# Altium PCB PCB1_Bak.PcbDoc (part 1 of 5) (continued)
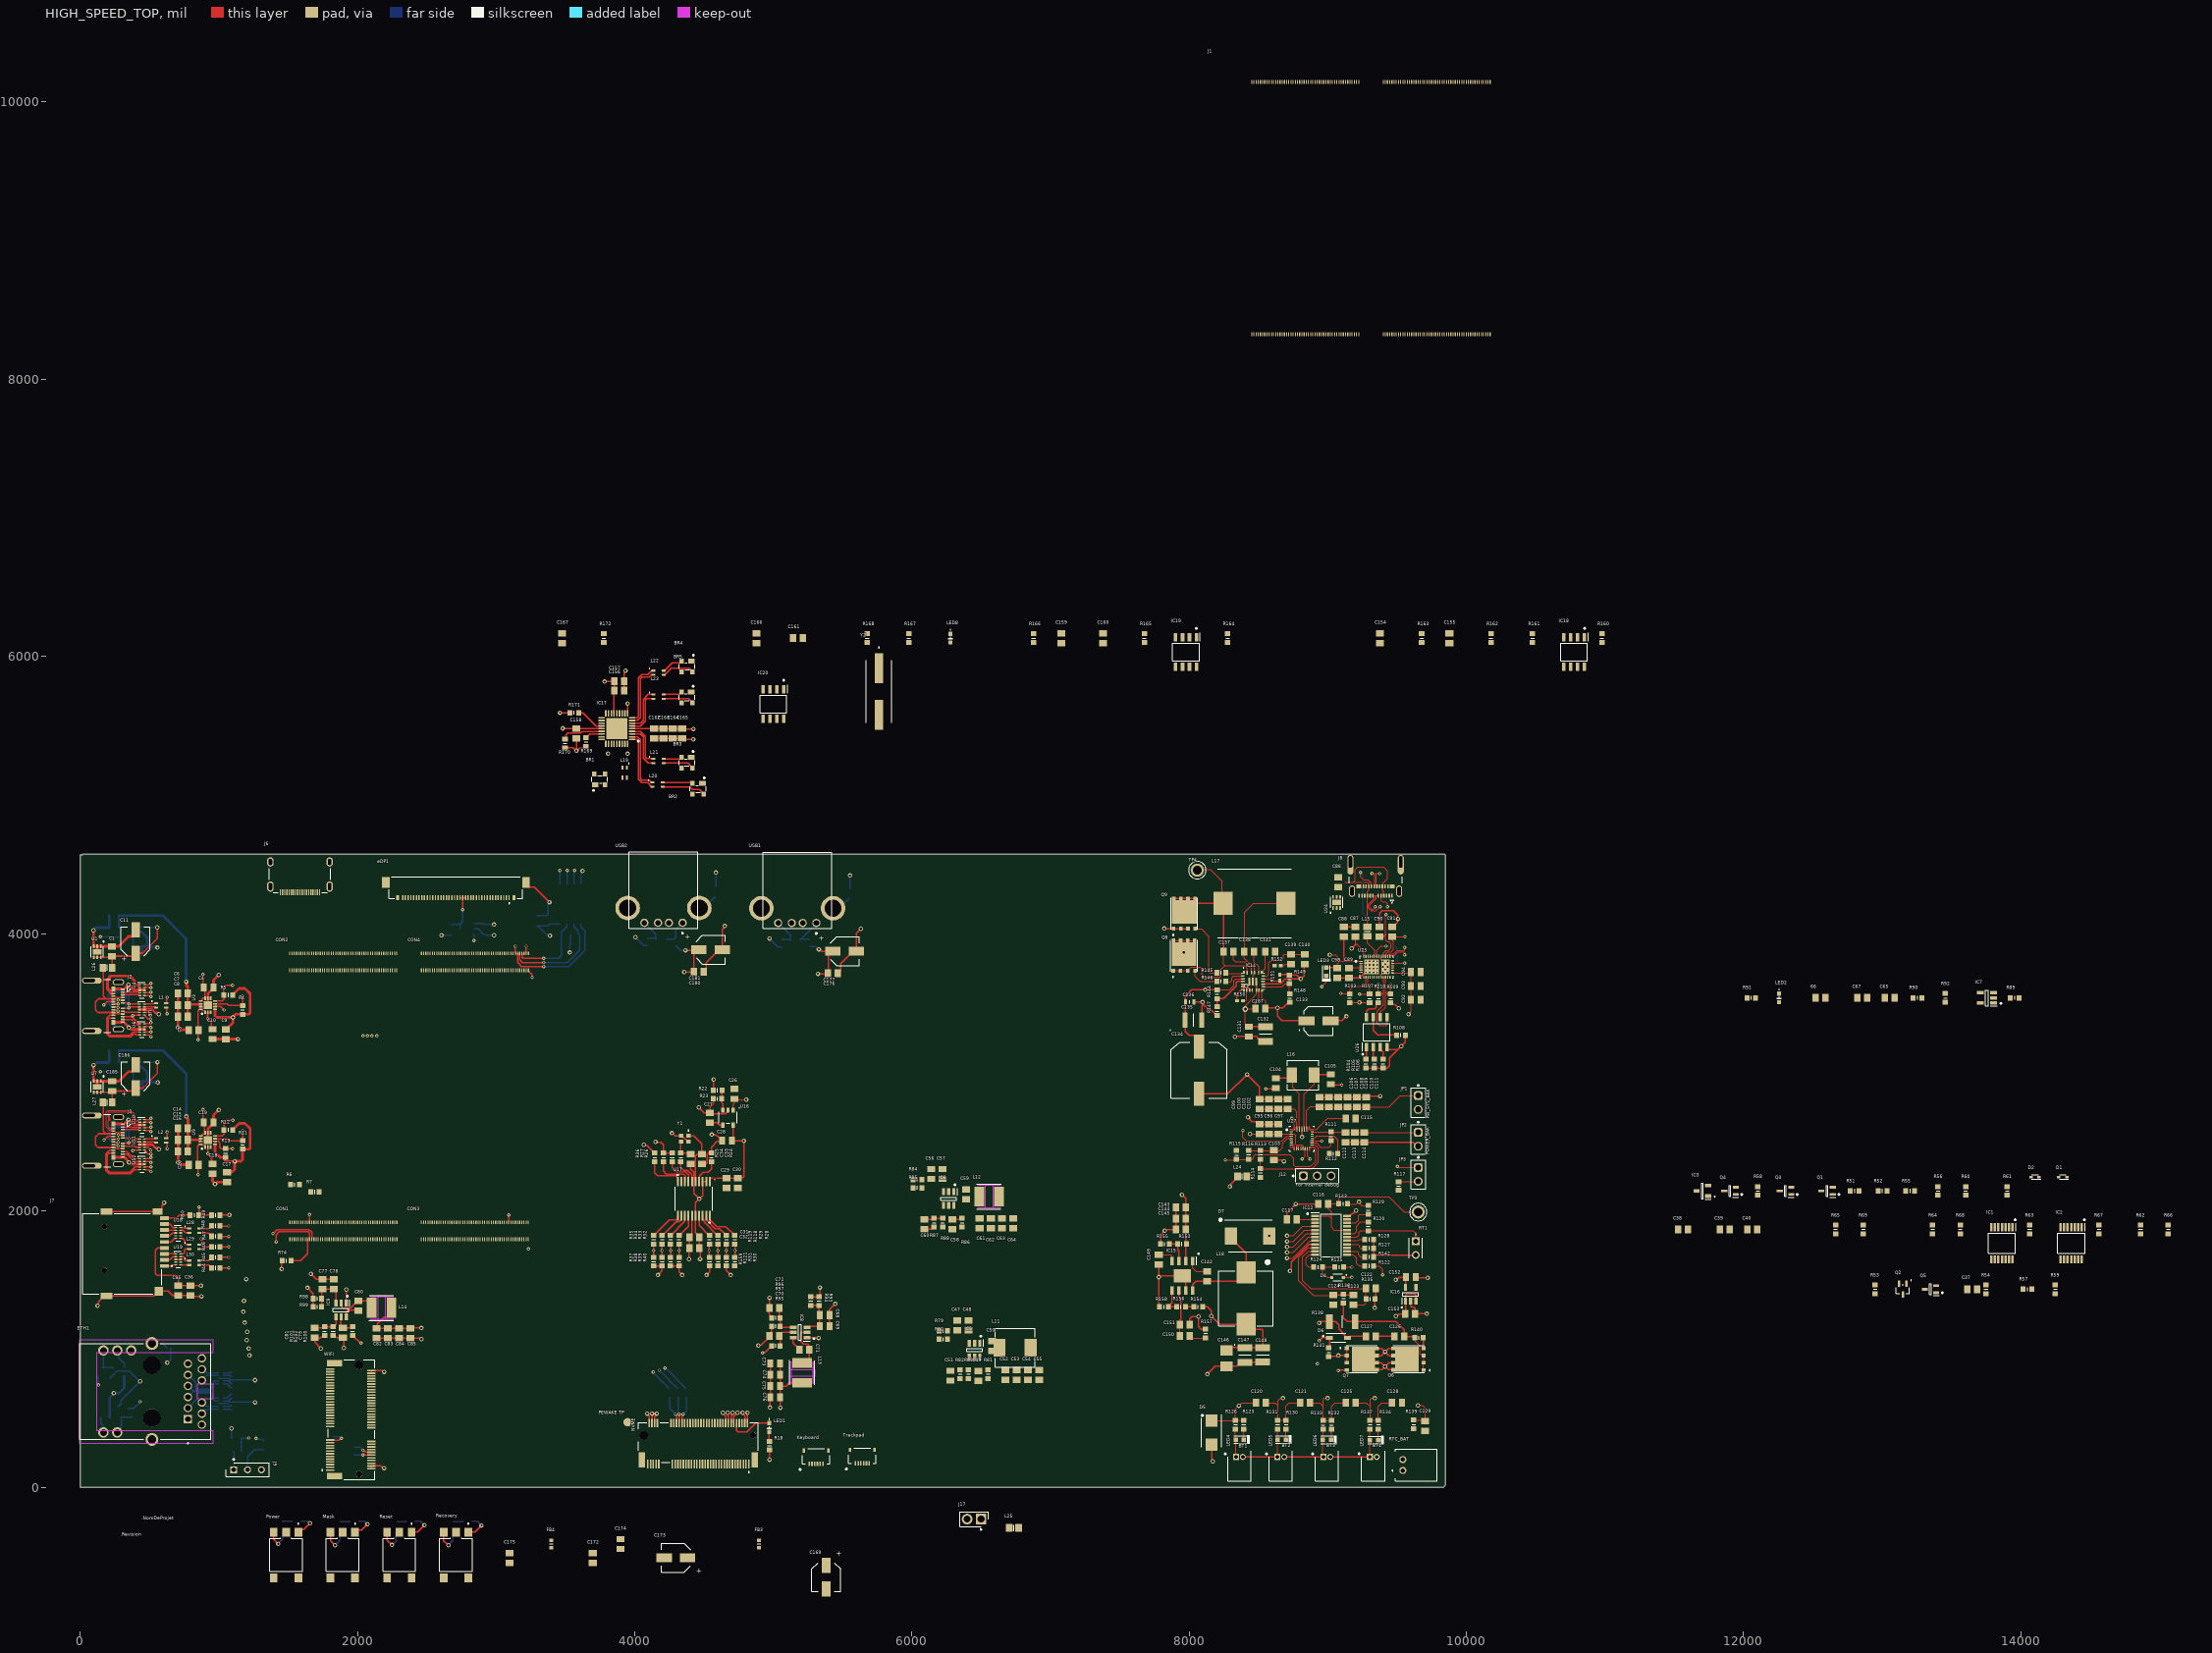
[diagram p0: HIGH_SPEED_TOP view]
## Components (designator, comment, footprint, x,y, rotation, side; value= is the part's Value field where it differs from the comment) (continued)
C105 "47nF/25V" C0805 9022.45,2948.68 r90 top value=47nF
C106 "0.1uF/50V" C0805 8939.45,2785.52 r270 top value=100nF
C107 "10uF/25V" C0805 9006.73,2785.52 r270 top value=10uF
C108 "10uF/25V" C0805 9074.02,2785.52 r270 top value=10uF
C109 "10uF/25V" C0805 9141.3,2785.52 r270 top value=10uF
C110 "10uF/25V" C0805 9208.59,2785.52 r270 top value=10uF
C111 "10uF/25V" C0805 9275.87,2785.52 r270 top value=10uF
C112 "0.1uF/50V" C0805 9129.17,2528.33 r90 top value=100nF
C113 "10uF/25V" C0805 9196.45,2528.33 r90 top value=10uF
C114 "10uF/25V" C0805 9263.73,2528.33 r90 top value=10uF
C115 "1nF/50V" C0805 9165.45,2666.68 r180 top value=1nF
C116 "1uF/25V" C0805 8966.45,2049.68 r180 top value=1uF
C117 "1uF/25V" C0805 8740.45,1937.68 r180 top value=1uF
C120 "1uF/25V" C0805 8517.45,614.68 r180 top value=1uF
C121 "1uF/25V" C0805 8835.45,614.68 r180 top value=1uF
C122 "0.1uF/25V" C0805 9310.45,1438.68 r180 top value=100nF
C123 "0.1uF/25V" C0805 9184.45,1355.68 r270 top value=100nF
C124 "0.1uF/25V" C0805 9039.45,1355.68 r90 top value=100nF
C125 "1uF/25V" C0805 9166.45,614.68 r180 top value=1uF
C126 "0.1uF/25V" C0805 9514.45,1093.68 r180 top value=100nF
C127 "0.1uF/25V" C0805 9311.45,1093.68 r180 top value=100nF
C128 "1uF/25V" C0805 9499.45,614.68 r180 top value=1uF
C129 "1uF/25V" C0805 9702.45,447.83 r270 top value=1uF
C131 "1uF/25V" C0805 8431.45,3292.68 r90 top value=1uF
C132 "22uF/25V" CAPC3225X270N 8550.45,3275.68 r90 top value=22uF
C133 "20SVPF56MX" 16SVF82M 8932.45,3370.68 r0 top value=56uF
C134 "120uF/35V" 16SVF1000M 8071.05,3014.2 r180 top value=120uF
C135 "10uF/50V" CAPC3225X230N 8030.33,3375.73 r180 top value=10uF
C136 "1uF/50V" CAPC1608X80N 8003.45,3506.68 r180 top value=1uF
C137 "0.1uF/16V" C0805 8282.45,3869.68 r180 top value=100nF
C138 "0.1uF/16V" C0805 8433.45,3869.68 r180 top value=100nF
C139 "4.7nF/16V" C0805 8735.45,3815.68 r90 top value=4.7nF
C140 "15pF/16V" C0805 8835.45,3815.68 r90 top value=15pF
C141 "4.7uF/16V" C0805 8583.45,3869.68 r180 top value=4.7uF
C142 "0.1uF/25V" C0805 8129.45,1527.68 r270 top value=100nF
C143 "4.7uF/50V" C0805 7939.45,2024.68 r0 top value=4.7uF
C144 "4.7uF/50V" C0805 7939.45,1943.68 r0 top value=4.7uF
C145 "10nF/50V" C0805 7939.45,1863.68 r0 top value=10nF
C146 "100uF/6.3V" T520B 8268.45,934.68 r270 top value=100uF
C147 "47uF/10V" CAPC3225X270N 8402.74,959.53 r270 top value=47uF
C148 "47uF/10V" CAPC3225X270N 8530.45,959.68 r270 top value=47uF
C149 "10nF/25V" C0805 7780.5,1647.68 r90 top value=10nF
C150 "2.2nF/25V" C0805 7967.45,1096.68 r180 top
C151 "22pF/50V" C0805 7968.45,1176.68 r180 top value=22pF
C152 "10uF/25V" C0805 9598.65,1520.89 r180 top value=10uF
C153 "10uF/25V" C0805 9594.48,1256.18 r180 top value=10uF
C154 "1uF/16V" C0805 9377.05,6132.2 r270 top value=1uF
C155 "1nF/50V" C0805 9877.05,6132.2 r270 top value=1nF
C156 "0.1uF/6.3V" C0805 3888.8,5754.05 r0 top value=100nF
C157 "4.7uF / 6.3V" C0805 3889.1,5821.33 r0 top value=4.7uF
C158 "0.1uF/6.3V" C0805 3578,5443 r270 top value=100nF
C159 "0.1uF/6.3V" C0805 7077.05,6132.2 r270 top value=100nF
C160 "0.1uF/6.3V" C0805 7377.05,6132.2 r270 top value=100nF
C161 "18pF/50V" C0805 5177.05,6132.2 r180 top value=18pF
C162 "0.1uF/6.3V" C0805 4140,5443.57 r270 top value=100nF
C163 "0.1uF/6.3V" C0805 4207.28,5443.57 r270 top value=100nF
C164 "0.1uF/6.3V" C0805 4274.57,5443.57 r270 top value=100nF
C165 "0.1uF/6.3V" C0805 4341.85,5443.57 r270 top value=100nF
C166 "0.1uF/6.3V" C0805 4877.05,6132.2 r270 top value=100nF
C167 "18pF/50V" C0805 3477.05,6132.2 r270 top value=18pF
C168 "0.1uF/6.3V" C0805 5487,-325 r270 bottom value=100nF
C169 "100uF / 6.3V" EEE0GA101SR 5381,-644 r270 top value=100uF
C170 "1nF/50V" C0805 5195,-407 r270 bottom value=1nF
C171 "0.1uF/6.3V" C0805 5216,-203 r0 bottom value=100nF
C172 "0.1uF/6.3V" C0805 3697.05,-504.8 r270 top value=100nF
C173 "100uF / 6.3V" EEE0GA101SR 4297.05,-504.8 r180 top value=100uF
C174 "1nF/50V" C0805 3897.05,-404.8 r270 top value=1nF
C175 "0.1uF/6.3V" C0805 3097.05,-504.8 r270 top value=100nF
C176 "0.1uF/6.3V" C0805 5430,3713 r0 top value=100nF
C177 "100uF / 6.3V" EEE0GA101SR 5514.71,3872.73 r0 top value=100uF
C178 "1nF/50V" C0805 5160,3949 r180 bottom value=1nF
C179 "0.1uF/6.3V" C0805 5551,4290 r90 bottom value=100nF
C180 "0.1uF/6.3V" C0805 4463,3723 r0 top value=100nF
C181 "100uF / 6.3V" EEE0GA101SR 4547.71,3882.73 r0 top value=100uF
C182 "1nF/50V" C0805 4193,3959 r180 bottom value=1nF
C183 "0.1uF/6.3V" C0805 4584,4300 r90 bottom value=100nF
C185 "0.1uF/6.3V" C0805 230,2899 r90 top value=100nF
C186 "100uF / 6.3V" EEE0GA101SR 400,2970 r90 top value=100uF
C187 "0.1uF/25V" C0805 8513.45,3457.68 r0 top value=100nF
CON1 "DF40HC" DF40HC30100DS04V51_MOD 1898.15,1856.04 r0 top locked
CON2 "DF40HC" DF40HC30100DS04V51_MOD 1897,3797 r0 top locked
CON3 "DF40HC" DF40HC30100DS04V51_MOD 2846.42,1856.26 r0 top locked
CON4 "DF40HC" DF40HC30100DS04V51_MOD 2847.03,3796.6 r0 top locked
D1 "30V/200mA" SODFL1608X70N 14301.66,2243.41 r180 top
D2 "30V/200mA" SODFL1608X70N 14101.66,2243.41 r180 top
D3 "30V/200mA" SODFL1608X70N 1131,261 r0 bottom
D4 "BAS316_RRG" BAS316RRG 9070.45,1518.68 r180 top
D5 "SMBJ26A-13-F" DIOM5336X250N 8161.45,398.68 r270 top
D6 "MMSZ5248B-7-F" SOD3716X115N 9077.45,1083.68 r0 top
D7 "CDBC540-G" DIOM8059X290N 8439.45,1818.68 r0 top
eDP1 "20455-040E-76" IPEX_20455-040E-76 2709.88,4333.59 r180 top locked
ETH1 "L829-1J1T-JM" RJ-45 517,696 r90 top
FB1 "220R / 100MHz" BLM18SP221SN1B 4980,-367 r270 bottom value=50mR
FB2 "220R / 100MHz" BLM18SP221SN1B 5383,-253 r270 bottom value=50mR
FB3 "220R / 100MHz" BLM18SP221SN1B 4897.05,-404.8 r270 top value=50mR
FB4 "220R / 100MHz" BLM18SP221SN1B 3397.05,-404.8 r270 top value=50mR
FB5 "220R / 100MHz" BLM18SP221SN1B 5261,3932 r90 bottom value=50mR
FB6 "220R / 100MHz" BLM18SP221SN1B 5059,3931 r90 bottom value=50mR
FB7 "220R / 100MHz" BLM18SP221SN1B 4294,3942 r90 bottom value=50mR
FB8 "220R / 100MHz" BLM18SP221SN1B 4092,3941 r90 bottom value=50mR
FB9 "220R / 100MHz" BLM18SP221SN1B 269.88,3369.11 r180 bottom value=50mR
FB10 "220R / 100MHz" BLM18SP221SN1B 270,2396 r180 bottom value=50mR
FB11 "220R / 100MHz" BLM18SP221SN1B 654,1010 r180 bottom value=50mR
IC1 "TMUX1511PWR" SOP65P640X120-14N 13863.05,1765.2 r270 top
IC2 "TMUX1511PWR" SOP65P640X120-14N 14363.05,1765.2 r270 top
IC3 "AP2331TDSA-7" SOT96P240X110-3N 11701.66,2143.41 r180 top
IC4 "AT25SF081B-SHB-T" SOIC127P798X216-8N 3536,4214 r270 bottom
IC5 "TPS564201DDCR" SOT95P280X110-6N 6451.83,995.02 r270 top
IC6 "TPS564201DDCR" SOT95P280X110-6N 6264.82,2087.54 r270 top
IC7 "RT9193-18GB" SOT94P279X130-5N 13755.05,3536.2 r180 top
IC8 "TPS564201DDCR" SOT95P280X110-6N 5192.28,1122.2 r180 top
IC9 "TPS564201DDCR" SOT95P280X110-6N 1881.63,1284.33 r270 top
IC12 "BQ7791501PWR" SOP65P640X120-24N 9023.45,1822.68 r0 top
IC14 "TPS552882RPMR" TPS552882RPMR 8459.84,3654.68 r0 top
IC15 "TPS54531DDA" SOIC127P600X170-9N 7950.45,1531.68 r270 top
IC16 "TLV75533PDBVR" SOT95P280X145-5N 9597.65,1397.89 r90 top
IC17 "USB2514B-AEZG" QFN50P600X600X100-37N-D 3870,5479 r180 top
IC18 "MIC2505-1YM" SOIC127P599X173-8N 10777.05,6032.2 r270 top
IC19 "MIC2026-1YM" SOIC127P599X173-8N 7977.05,6032.2 r270 top
IC20 "MIC2026-1YM" SOIC127P599X173-8N 5000,5657 r270 top
J1 "CM3588 Hirose Connector" CM3588 9311,9227 r90 top
J2 "USBC" USB_C -5.79,3479.31 r270 top
J3 "USBC" USB_C -5.67,2506.21 r270 top locked
J6 "HDMI" HDMI_MINI 1585,4446 r180 top
J7 "MicroSD" CUI_MSD-4-A 302,1690 r270 top
J8 "USBC" USB_C 9344.63,4586.37 r180 top
J9 "2.54MM" HDRV3W64P0X254_1X3_762X254X864P 1107,131 r0 top
J12 "61300311121" 61300311121 8923.45,2251.69 r0 top
J17 "PowerOn_btn" HDRV2W110P0X254_1X2_508X254X854P 6498,-225 r180 top
JP1 "PW_SYS_BAK" 61300211121 9652.45,2780.68 r270 top
JP2 "POWER_BAK" 61300211121 9652.45,2515.68 r270 top
JP3 "TS" 61300211121 9652.45,2261.68 r270 top
Keyboard "FPC_Connector_6P" 23287026 5308,228 r180 top value=7.6pF
L1 "400mA / 90 Ohm" ACM20129002PT002 582.91,3481.12 r0 top
L2 "400mA / 90 Ohm" ACM20129002PT002 583,2508 r0 top
L3 "ACM2012-900-2P-T002" ACM20129002PT002 1129,820 r180 bottom
L4 "ACM2012-900-2P-T002" ACM20129002PT002 1129,740 r180 bottom
L5 "ACM2012-900-2P-T002" ACM20129002PT002 1129,660 r180 bottom
L6 "ACM2012-900-2P-T002" ACM20129002PT002 1129,580 r180 bottom
L7 "ACM2012-900-2P-T002" ACM20129002PT002 1070.27,4252.25 r0 bottom
L8 "ACM2012-900-2P-T002" ACM20129002PT002 1292.43,4223.25 r0 bottom
L9 "ACM2012-900-2P-T002" ACM20129002PT002 1058.27,4394.25 r0 bottom
L10 "ACM2012-900-2P-T002" ACM20129002PT002 1086.85,4152 r0 bottom
L11 "MWSA0605S-3R3MT" IND_MWSA0603S_SNL 6743.83,1011.02 r180 top
L12 "WPN4020H2R2MT" IND_WPN4020H_SNL 6556.82,2103.54 r180 top
L13 "WPN4020H2R2MT" IND_WPN4020H_SNL 5208.28,830.2 r90 top
L14 "WPN4020H2R2MT" IND_WPN4020H_SNL 2173.63,1300.33 r180 top
L15 "FBMJ2125HM210NT" INDC2012X105N 9285.45,4015.68 r270 top
L16 "IHLP2020BZER1R0M11" IHLP-2020BZ 8821.45,2977.68 r0 top value=1uH
L17 "8.2pH/13.8mOhms" INDPM135126X650N 8470.45,4217.68 r0 top value=8.2uH
L18 "74437368047" WE-LHMI_104048 8409.45,1367.68 r270 top value=4.7uH
L19 "400mA / 90 Ohm" ACM20129002PT002 3927,5162 r270 top
L20 "400mA / 90 Ohm" ACM20129002PT002 4165,5075 r0 top
L21 "400mA / 90 Ohm" ACM20129002PT002 4172.05,5245.46 r0 top
L22 "400mA / 90 Ohm" ACM20129002PT002 4172.05,5882 r0 top
L23 "400mA / 90 Ohm" ACM20129002PT002 4172,5710 r0 top
L24 "FBMJ2125HM210NT" INDC2012X105N 8382.45,2247.68 r0 top
L25 "FBMJ2125HM210NT" INDC2012X105N 6736,-289 r180 top
L26 "FBMJ2125HM210NT" INDC2012X105N 195.91,3754.11 r0 top
L27 "FBMJ2125HM210NT" INDC2012X105N 196,2781 r0 top
L28 "ACM2012-900-2P-T002" ACM20129002PT002 823,1856 r0 top
L29 "ACM2012-900-2P-T002" ACM20129002PT002 823,1740 r0 top
L30 "ACM2012-900-2P-T002" ACM20129002PT002 823,1624 r0 top
LED1 "Green, 3.2V, 140°" WL-SMCD_0603 4970,436 r270 top
LED2 "Blue, 3.2V, 140°" WL-SMCD_0603 12255.05,3536.2 r270 top
LED3 "LTST-C190GKT" LED_LTST-C190 8989.45,3724.68 r270 top value=Green
LED4 "LTST-C190GKT" LED_LTST-C190 8364.92,348.68 r0 top value=Green
LED5 "LTST-C190GKT" LED_LTST-C190 8666.86,348.75 r0 top value=Green
LED6 "LTST-C190GKT" LED_LTST-C190 8993.45,346.68 r0 top value=Green
LED7 "LTST-C190GKT" LED_LTST-C190 9333.45,345.68 r0 top value=Green
LED8 "Green, 3.2V, 140°" WL-SMCD_0603 6277.05,6132.2 r270 top
Mask "SW_SMT" SW_TS06-667-25-BK-100-G-SMT-TR 1893.24,-483.87 r270 top
NVME "Bus_M.2_Socket_M" AMPHENOL_MDT420M03001 4458.73,379.68 r180 top
Power "SW_SMT" SW_TS06-667-25-BK-100-G-SMT-TR 1484.57,-483.87 r270 top
Q1 "2SK3018-TP" SOT65P228X120-3N 12601.66,2143.41 r180 top
Q2 "2N7002WT1G" SOT-323-3_2P2X1P35_ONS 13148,1433.73 r180 top
Q3 "2SK3018-TP" SOT65P228X120-3N 12301.66,2143.41 r180 top
Q4 "2SK3018-TP" SOT65P228X120-3N 11901.66,2143.41 r180 top
Q5 "2SK3018-TP" SOT65P228X120-3N 13348,1433.73 r180 top
Q6 "CSD18514Q5A" CSD18514Q5A 9582.05,929.5 r0 top
Q7 "CSD18514Q5A" CSD18514Q5A 9244.99,929.5 r180 top
Q8 "CSD18514Q5A" CSD18514Q5A 7963.27,3840.23 r270 top
Q9 "CSD18514Q5A" CSD18514Q5A 7965.45,4143.68 r270 top
R1 "100k" RESC1608X55N 205.91,4010.09 r270 bottom value=100kR
R2 "6.8K" RESC1608X55N 415.91,3847.1 r180 bottom value=6.8kR
R3 "6.8K" RESC1608X55N 415.91,3907.1 r180 bottom value=6.8kR
R4 "2.2K" RESC1608X55N 1170.91,3449.11 r90 top value=2.2kR
R5 "2.2K" RESC1608X55N 1067.91,3556.12 r180 top value=2.2kR
R6 "0R" RESC1608X55N 1549,2188 r180 top
R7 "0R" RESC1608X55N 1693,2136 r180 top
R8 "6.8K" RESC1608X55N 416,2874 r180 bottom value=6.8kR
R9 "6.8K" RESC1608X55N 416,2934 r180 bottom value=6.8kR
R10 "100k" RESC1608X55N 206,3037 r270 bottom value=100kR
R11 "2.2K" RESC1608X55N 1171,2476 r90 top value=2.2kR
R12 "2.2K" RESC1608X55N 1068,2583 r180 top value=2.2kR
R13 "10K" RESC1608X55N 1048,2417 r270 top value=10kR
R14 "560R" RESC1608X55N 181,512 r0 bottom
R15 "560R" RESC1608X55N 319,838 r270 bottom
R16 "560R" RESC1608X55N 374,542 r270 bottom
R17 "560R" RESC1608X55N 161,838 r90 bottom
R18 "47K" RESC1608X55N 4972,305.5 r270 top value=47kR
R19 "0R" RESC1608X55N 4373,686 r90 bottom
R20 "0R" RESC1608X55N 4312,686 r90 bottom
R21 "0R" RESC1608X55N 4252,686 r90 bottom
R22 "10K" RESC1608X55N 4597.5,2869 r180 top value=10kR
R23 "100k" RESC1608X55N 4597,2808 r0 top value=100kR
R24 "4.7K" RESC1608X55N 4553,2385 r270 top value=4.7kR
R25 "100R" RESC1608X55N 4332,2385 r270 top
R26 "10K" RESC1608X55N 4271,2385 r90 top value=10kR
R27 "10K" RESC1608X55N 4208,2385 r90 top value=10kR
R28 "33R" RESC1608X55N 4722,1791.5 r270 top
R29 "33R" RESC1608X55N 4661,1791.5 r270 top
R30 "49.9R" RESC1608X55N 4722,1633 r270 top
R31 "49.9R" RESC1608X55N 4661,1633.5 r270 top
R32 "33R" RESC1608X55N 4319,1791 r270 top
R33 "33R" RESC1608X55N 4258,1791 r270 top
R34 "33R" RESC1608X55N 4197,1791 r270 top
R35 "33R" RESC1608X55N 4136.05,1791 r270 top
R36 "470R" RESC1608X55N 4144,2385 r270 top
R37 "49.9R" RESC1608X55N 4136.05,1633 r270 top
R38 "49.9R" RESC1608X55N 4197,1633 r270 top
R39 "49.9R" RESC1608X55N 4258,1633 r270 top
R40 "49.9R" RESC1608X55N 4319,1633 r270 top
R41 "2.2K" RESC1608X55N 1793.85,368.71 r0 bottom value=2.2kR
R42 "0R" RESC1608X55N 1942.85,233.71 r180 bottom
R43 "0R" RESC1608X55N 1942.85,293.71 r180 bottom
R44 "33R" RESC1608X55N 977,1587 r180 top
R45 "33R" RESC1608X55N 977,1663.2 r180 top
R46 "33R" RESC1608X55N 977,1739.4 r180 top
R47 "33R" RESC1608X55N 977,1815.6 r180 top
R48 "33R" RESC1608X55N 977,1891.8 r180 top
R49 "33R" RESC1608X55N 977,1968 r0 top
R50 "33R" RESC1608X55N 824,1968 r180 top
R51 "10K" RESC1608X55N 12801.66,2143.41 r180 top value=10kR
R52 "10K" RESC1608X55N 13001.66,2143.41 r180 top value=10kR
R53 "47K" RESC1608X55N 12948,1433.73 r270 top value=47kR
R54 "1.8K" RESC1608X55N 13748,1433.73 r270 top value=1.8kR
R55 "10K" RESC1608X55N 13201.66,2143.41 r180 top value=10kR
R56 "1.8K" RESC1608X55N 13401.66,2143.41 r270 top value=1.8kR
R57 "10K" RESC1608X55N 14048,1433.73 r180 top value=10kR
R58 "1K" RESC1608X55N 12101.66,2143.41 r270 top value=1kR
R59 "1.8K" RESC1608X55N 14248,1433.73 r270 top value=1.8kR
R60 "27K" RESC1608X55N 13601.66,2143.41 r270 top value=27kR
R61 "27K" RESC1608X55N 13901.66,2143.41 r270 top value=27kR
R62 "499R" RESC1608X55N 14863.05,1865.2 r270 top
R63 "499R" RESC1608X55N 14063.05,1865.2 r270 top
R64 "499R" RESC1608X55N 13363.05,1865.2 r270 top
R65 "499R" RESC1608X55N 12663.05,1865.2 r270 top
R66 "499R" RESC1608X55N 15063.05,1865.2 r270 top
R67 "499R" RESC1608X55N 14563.05,1865.2 r270 top
R68 "499R" RESC1608X55N 13563.05,1865.2 r270 top
R69 "499R" RESC1608X55N 12863.05,1865.2 r270 top
R70 "100R" RESC1608X55N 1560.57,-239.87 r0 bottom
R71 "100R" RESC1608X55N 2384.57,-239.87 r0 bottom
R72 "100R" RESC1608X55N 1975.57,-239.87 r0 bottom
R73 "100R" RESC1608X55N 2793.57,-239.87 r0 bottom
R74 "0R" RESC1608X55N 1488,1639 r0 top
R75 "10K" RESC1608X55N 3502,3929 r0 bottom value=10kR
R76 "10K" RESC1608X55N 3569,3992 r180 bottom value=10kR
R77 "10K" RESC1608X55N 1128,359 r180 bottom value=10kR
R78 "33R" RESC1608X55N 1326,307 r270 bottom
R79 "0R" RESC1608X55N 6225.83,1132.58 r0 top
R80 "0R" RESC1608X55N 6225.83,1072.58 r0 top
R81 "10K" RESC1608X55N 6548.83,821.02 r90 top value=10kR
R82 "56K" RESC1608X55N 6346.83,821.02 r270 top value=56kR
R83 "10K" RESC1608X55N 6407.83,821.02 r90 top value=10kR
R84 "0R" RESC1608X55N 6038.82,2225.1 r0 top
R85 "0R" RESC1608X55N 6038.82,2165.1 r0 top
R86 "10K" RESC1608X55N 6361.82,1913.54 r90 top value=10kR
R87 "33K" RESC1608X55N 6159.82,1913.54 r270 top value=33kR
R88 "10K" RESC1608X55N 6220.82,1913.54 r90 top value=10kR
R89 "0R" RESC1608X55N 13955.05,3536.2 r180 top
R90 "100k" RESC1608X55N 13255.05,3536.2 r180 top value=100kR
R91 "150K" RESC1608X55N 12055.05,3536.2 r180 top value=150kR
R92 "27K" RESC1608X55N 13455.05,3536.2 r270 top value=27kR
R93 "0R" RESC1608X55N 5329.85,1348.2 r270 top
R94 "0R" RESC1608X55N 5269.85,1348.2 r270 top
R95 "10K" RESC1608X55N 5018.28,1025.2 r0 top value=10kR
R96 "33K" RESC1608X55N 5018.28,1227.2 r180 top value=33kR
R97 "10K" RESC1608X55N 5018.28,1166.2 r0 top value=10kR
R98 "0R" RESC1608X55N 1710.63,1365.9 r0 top
R99 "0R" RESC1608X55N 1710.63,1305.9 r0 top
R100 "10K" RESC1608X55N 1964.63,1131.33 r90 top value=10kR
R101 "33K" RESC1608X55N 1762.63,1131.33 r270 top value=33kR
R102 "10K" RESC1608X55N 1823.63,1131.33 r90 top value=10kR
R103 "4.7K" RESC1608X55N 9157.59,3533.3 r270 top value=4.7kR
R104 "10K" RESC1608X55N 9273.71,3061.23 r90 top value=10kR
R105 "10K" RESC1608X55N 9335.63,3061.23 r90 top value=10kR
R106 "10K" RESC1608X55N 9397.45,3061.18 r90 top value=10kR
R107 "4.7K" RESC1608X55N 9301.59,3532.3 r270 top value=4.7kR
R108 "10K" RESC1608X55N 9527.45,3266.68 r180 top value=10kR
R109 "2.2K" RESC1608X55N 9452.66,3532.3 r90 top value=2.2kR
R110 "2.2K" RESC1608X55N 9364.66,3532.3 r90 top value=2.2kR
R111 "100R" RESC1608X55N 9022.45,2537.19 r270 top
R112 "17.4K" RESC1608X55N 9041.45,2411.68 r0 top value=17.4kR
R113 "137K" RESC1608X55N 8513.45,2403.68 r90 top value=137kR
R114 "100k" RESC1608X55N 8513.45,2272.68 r90 top value=100kR
R115 "30K" RESC1608X55N 8341.45,2402.18 r270 top value=30kR
R116 "5.23K" RESC1608X55N 8428.45,2403.68 r90 top value=5.23kR
R117 "10K" RESC1608X55N 9510.45,2178.68 r90 top value=10kR
R118 "33R" RESC1608X55N 4600,1791 r270 top
R119 "33R" RESC1608X55N 4539,1791 r270 top
R120 "10K" RESC1608X55N 9291.32,1887.68 r270 top value=10kR
R121 "49.9R" RESC1608X55N 4601,1633 r270 top
R122 "5.1K" RESC1608X55N 9298.45,1601.68 r0 top value=5.1kR
R123 "1K" RESC1608X55N 8393.45,456.68 r90 top value=1kR
R124 "5.1K" RESC1608X55N 8930.45,1593.68 r0 top value=5.1kR
R125 "1M" RESC1608X55N 9082.45,1593.68 r0 top value=1MR
R126 "33R" RESC1608X55N 8334.45,456.68 r90 top
R127 "10K" RESC1608X55N 9298.45,1729.68 r180 top value=10kR
R128 "100k" RESC1608X55N 9298.45,1792.68 r180 top value=100kR
R129 "10K" RESC1608X55N 9291.32,2005.65 r270 top value=10kR
R130 "1K" RESC1608X55N 8698.45,456.68 r90 top value=1kR
R131 "33R" RESC1608X55N 8637.45,456.68 r90 top
R132 "1K" RESC1608X55N 9026.45,454.68 r90 top value=1kR
R133 "33R" RESC1608X55N 8965.45,454.68 r90 top
R134 "1K" RESC1608X55N 9364.45,456.68 r90 top value=1kR
R135 "100R" RESC1608X55N 9307.45,1362.68 r180 top
R136 "100R" RESC1608X55N 9113.45,1366.68 r90 top
R137 "33R" RESC1608X55N 9304.45,456.68 r90 top
R138 "CMP-R015-1.0" RESC5025X70N 9196.45,1199.68 r180 top
R139 "33R" RESC1608X55N 9619.45,458.68 r90 top
R140 "10M" RESC1608X55N 9657.45,1083.68 r180 top value=10MR
R141 "3M" RESC1608X55N 9006.45,979.68 r270 top value=3MR
R142 "470K" RESC1608X55N 9298.45,1666.68 r0 top value=470kR
R143 "1K" RESC1608X55N 9111.45,2049.68 r0 top value=1kR
R144 "549K" RESC1608X55N 8200.45,3562.68 r90 top value=549kR
R145 "1R" RESC1608X55N 8231.18,3717.19 r180 top
R146 "1R" RESC1608X55N 8231.18,3656.19 r180 top
R147 "100k" RESC1608X55N 8200.45,3440.68 r90 top value=100kR
R148 "100k" RESC1608X55N 8725.45,3534.68 r270 top value=100kR
R149 "10.4K" RESC1608X55N 8723.45,3669.68 r270 top
R150 "50K" RESC1005X40N 8366.18,3515.19 r0 top
R151 "31.6K" RESC1005X40N 8653.45,3681.68 r270 top
R152 "54.9K" RESC1005X40N 8638.45,3769.68 r0 top
R153 "665K" RESC1608X55N 7948.45,1760.68 r0 top value=665kR
R154 "51.1R" RESC1608X55N 8065.45,1306.68 r0 top
R155 "130K" RESC1608X55N 7824.45,1759.68 r0 top value=130kR
R156 "10.2K" RESC1608X55N 7941.45,1306.68 r0 top value=10.2kR
R157 "37.4K" RESC1608X55N 8118.45,1114.68 r270 top value=37.4kR
R158 "1.96K" RESC1608X55N 7818.45,1306.68 r0 top value=1.96kR
R159 "49.9R" RESC1608X55N 4540,1633 r270 top
R160 "100k" RESC1608X55N 10977.05,6132.2 r270 top value=100kR
R161 "1K" RESC1608X55N 10477.05,6132.2 r270 top value=1kR
R162 "0R" RESC1608X55N 10177.05,6132.2 r270 top
R163 "100k" RESC1608X55N 9677.05,6132.2 r270 top value=100kR
R164 "10K" RESC1608X55N 8277.05,6132.2 r270 top value=10kR
R165 "1K" RESC1608X55N 7677.05,6132.2 r270 top value=1kR
R166 "100k" RESC1608X55N 6877.05,6132.2 r270 top value=100kR
R167 "100k" RESC1608X55N 5977.05,6132.2 r270 top value=100kR
R168 "1.24K" RESC1608X55N 5677.05,6132.2 r270 top value=1.24kR
R169 "100k" RESC1608X55N 3648,5382 r270 top value=100kR
R170 "100k" RESC1608X55N 3497,5372 r270 top value=100kR
R171 "100k" RESC1608X55N 3564,5594 r180 top value=100kR
R172 "1M" RESC1608X55N 3777.05,6132.2 r270 top value=1MR
Recovery "SW_SMT" SW_TS06-667-25-BK-100-G-SMT-TR 2710.57,-483.87 r270 top
Reset "SW_SMT" SW_TS06-667-25-BK-100-G-SMT-TR 2301.91,-483.87 r270 top
RT1 "103AT-2" 103AT2 9634.45,1780.68 r180 top
RTC_BAT "S2B-PH-K-S" S2BPHKS 9541.45,125.94 r270 top value=10uF
TP3 "CHARGE_TP" KEYSTONE_5006 9652.45,1990.68 r180 top
TP4 "Converter_TP" KEYSTONE_5006 8058.45,4457.68 r180 top
Trackpad "FPC_Connector_6P" 23287026 5641.58,231.69 r180 top value=7.6pF
U1 "TVS2200DRVR" SON65P200X200X80-7N 122.91,3868.13 r270 top
U2 "SY6280AAC" SOT95P285X140-5N 330.91,4011.12 r180 bottom
U3 "FUSB302BMPX" QFN50P250X250X80-15N 920.87,3483.4 r90 top
U4 "TPD4E02B04DQAR" DQA0010A 445.87,3592.1 r0 top
U5 "TPD4E02B04DQAR" DQA0010A 444,3451.5 r0 top
U6 "TPD4E02B04DQAR" DQA0010A 445.87,3309.11 r0 top
U7 "TVS2200DRVR" SON65P200X200X80-7N 123,2895 r270 top
U8 "SY6280AAC" SOT95P285X140-5N 331,3038 r180 bottom
U9 "FUSB302BMPX" QFN50P250X250X80-15N 920.96,2510.31 r90 top
U10 "TPD4E02B04DQAR" DQA0010A 445.95,2619 r0 top
U11 "TPD4E02B04DQAR" DQA0010A 445,2477.5 r180 top
U12 "TPD4E02B04DQAR" DQA0010A 445.95,2336 r0 top
U13 "TPS22917LDBVR" DBV0006_L 2791,4036 r180 bottom
U14 "TPD4E02B04DQAR" DQA0010A 1014,791 r180 bottom
U15 "TPD4E02B04DQAR" DQA0010A 1014,608.31 r180 bottom
U16 "RT9193-33GB" SOT-23-5_RIT 4673,2672 r270 top
U17 "PI6C557-05BLE" L20_PER-M 4426,2087 r270 top
U18 "TPD4E02B04DQAR" DQA0010A 706,1839.68 r0 top
U19 "TPD4E02B04DQAR" DQA0010A 706,1649 r0 top
U20 "TPD4E02B04DQAR" DQA0010A 1718,4080 r270 bottom
U21 "TPD4E02B04DQAR" DQA0010A 1700,4207 r270 bottom
U22 "TPD4E02B04DQAR" DQA0010A 1471.37,4123.73 r270 bottom
U23 "TPD4E02B04DQAR" DQA0010A 1560.31,4204.27 r270 bottom
U24 "TVS2200DRVR" SON65P200X200X80-7N 9063.94,4225.06 r90 top
U25 "TPS25750DRJK" RJK0038B-C01-MFG 9353.66,3760.3 r0 top
U26 "CAT24C256WI-GT3" SOIC127P600X175-8N 9353.45,3288.68 r90 top
U27 "BQ25792RQM" RQM0029A-MFG 8812.45,2521.68 r0 top
USB1 "USB_Ext_1" TECONN-4POS-USB 5310.17,4076 r180 top
USB2 "USB_Ext_2" TECONN-4POS-USB 4345.16,4078 r180 top
WIFI "Bus_M.2_Socket_E" AMPHENOL_MDT320E01001 2011.53,493.18 r90 top
Y1 "25MHz/15PPM/8pF" XTAL_ECS-250-8-37B2-RWY-TR 4361,2520 r180 top
Y2 "24MHz/18pf/50Ohms" HCM4924000000ABJT 5761.36,5746.21 r270 top

## Footprints (in the part's own frame and the unit in brackets; to place one, negate y for a bottom-side part, rotate by r counter-clockwise, add the part's x,y. Pads: shape width x height; smd on the part's side, far side on the other; paste and mask are expansions set on the pad)
16SVF82M [mm]
  rect 3x1.6 smd: 1(-2.2,0) 2(2.2,0)
  silkscreen extent -3.56,-2.65 2.65,2.65, body extent -3,-2.65 3,2.65, height 5.93
16SVF1000M [mm]
  rect 1.9x4.4 smd: 1(0,-4.35) 2(0,4.35)
  silkscreen extent -5.15,-7.42 5.28,5.15, body extent -5.15,-5.5 5.15,5.5, height 12.63
103AT2 [mm]
  rect 1.416x1.416 hole 0.91: 1(0,0)
  round 1.416 hole 0.91: 2(0,2.54)
  silkscreen extent -1.2,-1.3 1.2,3.12, body extent -1.2,-0.58 1.2,3.12, height 6.44
23287026 [mm]
  rect 0.3x0.8 smd: 1(1.25,1.4) 2(0.75,1.4) 3(0.25,1.4) 4(-0.25,1.4) 5(-0.75,1.4) 6(-1.25,1.4)
  rect 0.4x0.8 smd: MP1(-2.25,-1.1) MP2(2.25,-1.1)
  silkscreen extent -2.5,-1.4 3.05,2.54, body extent -2.5,-1.66 2.5,2.17, height 1.06
61300211121 [mm] "Pin Header, pitch 2.54 mm, THT, Vertical, single row, 2p"
  rrect50% 1.6x1.6 hole 1.1: 1(-1.27,0)
  round 1.6 hole 1.1: 2(1.27,0)
  silkscreen extent -3.26,-1.35 2.69,1.35, body extent -2.54,-1.27 2.54,1.27, height 8.57
61300311121 [mm] "Pin Header, pitch 2.54 mm, THT, Vertical, single row, 3p"
  rrect50% 1.6x1.6 hole 1.1: 1(-2.54,0)
  round 1.6 hole 1.1: 2(0,0) 3(2.54,0)
  silkscreen extent -4.53,-1.35 3.96,1.35, body extent -3.81,-1.27 3.81,1.27, height 8.57
ACM20129002PT002 [mm]
  rect 0.75x0.4 smd: 1(-0.925,0.4) 2(-0.925,-0.4) 3(0.925,-0.4) 4(0.925,0.4)
  silkscreen extent -1.72,0.73 -1.62,0.83, body extent -1,-0.6 1,0.6, height 1.2
AMPHENOL_MDT320E01001 [mm]
  rect 0.3x1.55 smd mask+0.05: 1(-9.25,5.275) 2(-9,-2.275) 3(-8.75,5.275) 4(-8.5,-2.275) 5(-8.25,5.275) 6(-8,-2.275) 7(-7.75,5.275) 8(-7.5,-2.275) 9(-7.25,5.275) 10(-7,-2.275) 11(-6.75,5.275) 12(-6.5,-2.275) 13(-6.25,5.275) 14(-6,-2.275) 15(-5.75,5.275) 16(-5.5,-2.275) 17(-5.25,5.275) 18(-5,-2.275) 19(-4.75,5.275) 20(-4.5,-2.275) 21(-4.25,5.275) 22(-4,-2.275) 23(-3.75,5.275) 32(-1.5,-2.275) 33(-1.25,5.275) 34(-1,-2.275) 35(-0.75,5.275) 36(-0.5,-2.275) 37(-0.25,5.275) 38(0,-2.275) 39(0.25,5.275) 40(0.5,-2.275) 41(0.75,5.275) 42(1,-2.275) 43(1.25,5.275) 44(1.5,-2.275) 45(1.75,5.275) 46(2,-2.275) 47(2.25,5.275) 48(2.5,-2.275) 49(2.75,5.275) 50(3,-2.275) 51(3.25,5.275) 52(3.5,-2.275) 53(3.75,5.275) 54(4,-2.275) 55(4.25,5.275) 56(4.5,-2.275) 57(4.75,5.275) 58(5,-2.275) 59(5.25,5.275) 60(5.5,-2.275) 61(5.75,5.275) 62(6,-2.275) 63(6.25,5.275) 64(6.5,-2.275) 65(6.75,5.275) 66(7,-2.275) 67(7.25,5.275) 68(7.5,-2.275) 69(7.75,5.275) 70(8,-2.275) 71(8.25,5.275) 72(8.5,-2.275) 73(8.75,5.275) 74(9,-2.275) 75(9.25,5.275)
  rect 1.2x2.75 smd mask+0.05: S1(-10.35,4.5) S2(10.35,4.5)
  round 1.15 hole 1.15 unplated: ""(-10,0)
  round 1.65 hole 1.65 unplated: ""(10,0)
  silkscreen extent -11,-2.85 11,6.85, body extent -11,-4.6 11,3.95, height 3.2
AMPHENOL_MDT420M03001 [mm]
  rect 0.3x1.55 smd: 1(-9.25,5.275) 2(-9,-2.275) 3(-8.75,5.275) 4(-8.5,-2.275) 5(-8.25,5.275) 6(-8,-2.275) 7(-7.75,5.275) 8(-7.5,-2.275) 9(-7.25,5.275) 10(-7,-2.275) 11(-6.75,5.275) 12(-6.5,-2.275) 13(-6.25,5.275) 14(-6,-2.275) 15(-5.75,5.275) 16(-5.5,-2.275) 17(-5.25,5.275) 18(-5,-2.275) 19(-4.75,5.275) 20(-4.5,-2.275) 21(-4.25,5.275) 22(-4,-2.275) 23(-3.75,5.275) 24(-3.5,-2.275) 25(-3.25,5.275) 26(-3,-2.275) 27(-2.75,5.275) 28(-2.5,-2.275) 29(-2.25,5.275) 30(-2,-2.275) 31(-1.75,5.275) 32(-1.5,-2.275) 33(-1.25,5.275) 34(-1,-2.275) 35(-0.75,5.275) 36(-0.5,-2.275) 37(-0.25,5.275) 38(0,-2.275) 39(0.25,5.275) 40(0.5,-2.275) 41(0.75,5.275) 42(1,-2.275) 43(1.25,5.275) 44(1.5,-2.275) 45(1.75,5.275) 46(2,-2.275) 47(2.25,5.275) 48(2.5,-2.275) 49(2.75,5.275) 50(3,-2.275) 51(3.25,5.275) 52(3.5,-2.275) 53(3.75,5.275) 54(4,-2.275) 55(4.25,5.275) 56(4.5,-2.275) 57(4.75,5.275) 58(5,-2.275) 67(7.25,5.275) 68(7.5,-2.275) 69(7.75,5.275) 70(8,-2.275) 71(8.25,5.275) 72(8.5,-2.275) 73(8.75,5.275) 74(9,-2.275) 75(9.25,5.275)
  rect 1.2x2.75 smd: S1(-10.35,4.5) S2(10.35,4.5)
  round 1.15 hole 1.15 unplated: ""(-10,0)
  round 1.65 hole 1.65 unplated: ""(10,0)
  silkscreen extent -11,-2.35 11,6.85, body extent -11,-2.85 11,5.7, height 4.2
BAS316RRG [mm]
  rect 0.61x0.49 smd: 1(-1.065,0) 2(1.065,0)
  silkscreen extent -1.65,-0.64 0.85,0.64, body extent -1.32,-0.64 1.32,0.64, height 1.2
BF998215 [mm]
  rect 1.2x0.9 smd: 1(-0.8,-0.625)
  rect 0.8x0.9 smd: 2(1,-0.625) 3(1,1.375) 4(-1,1.375)
  silkscreen extent -1.45,-1.78 1.45,1.02, body extent -1.2,-1.23 1.2,1.67, height 1.1
BLM18SP221SN1B [mm]
  rect 0.65x0.7 smd: 1(-0.675,0) 2(0.675,0)
  silkscreen extent 0,-0.3 0,0.3, body extent -0.8,-0.4 0.8,0.4, height 0.8
C0805 [mm]
  rect 1.15x1.45 smd: 1(-0.9,0) 2(0.9,0)
  body extent -1.1,-0.72 1.1,0.73, height 0.88
CAPC1608X80N [mm]
  rect 0.54x0.94 smd: 1(-0.8,0) 2(0.8,0)
  silkscreen extent 0,-0.3 0,0.3, body extent -0.8,-0.4 0.8,0.4, height 0.8
CAPC3225X230N [mm]
  rect 0.92x2.82 smd: 1(-1.54,0) 2(1.54,0)
  silkscreen extent 0,-1.15 0,1.15, body extent -1.6,-1.25 1.6,1.25, height 2.5
CAPC3225X270N [mm]
  rect 1.26x2.72 smd: 1(-1.33,0) 2(1.33,0)
  silkscreen extent 0,-1.15 0,1.15, body extent -1.6,-1.25 1.6,1.25, height 2.7